# Altium PCB MCU047F_PCB.PcbDoc (part 3 of 3)
Units mil, origin at the board's own origin, x right, y up, seen from the top; angles counter-clockwise.
Board outline 7150 x 2800 mil, 2 copper layers (Top Layer, Bottom Layer), stack 62 mil thick; 59 components, 169 nets, 504 pads, 929 vias.
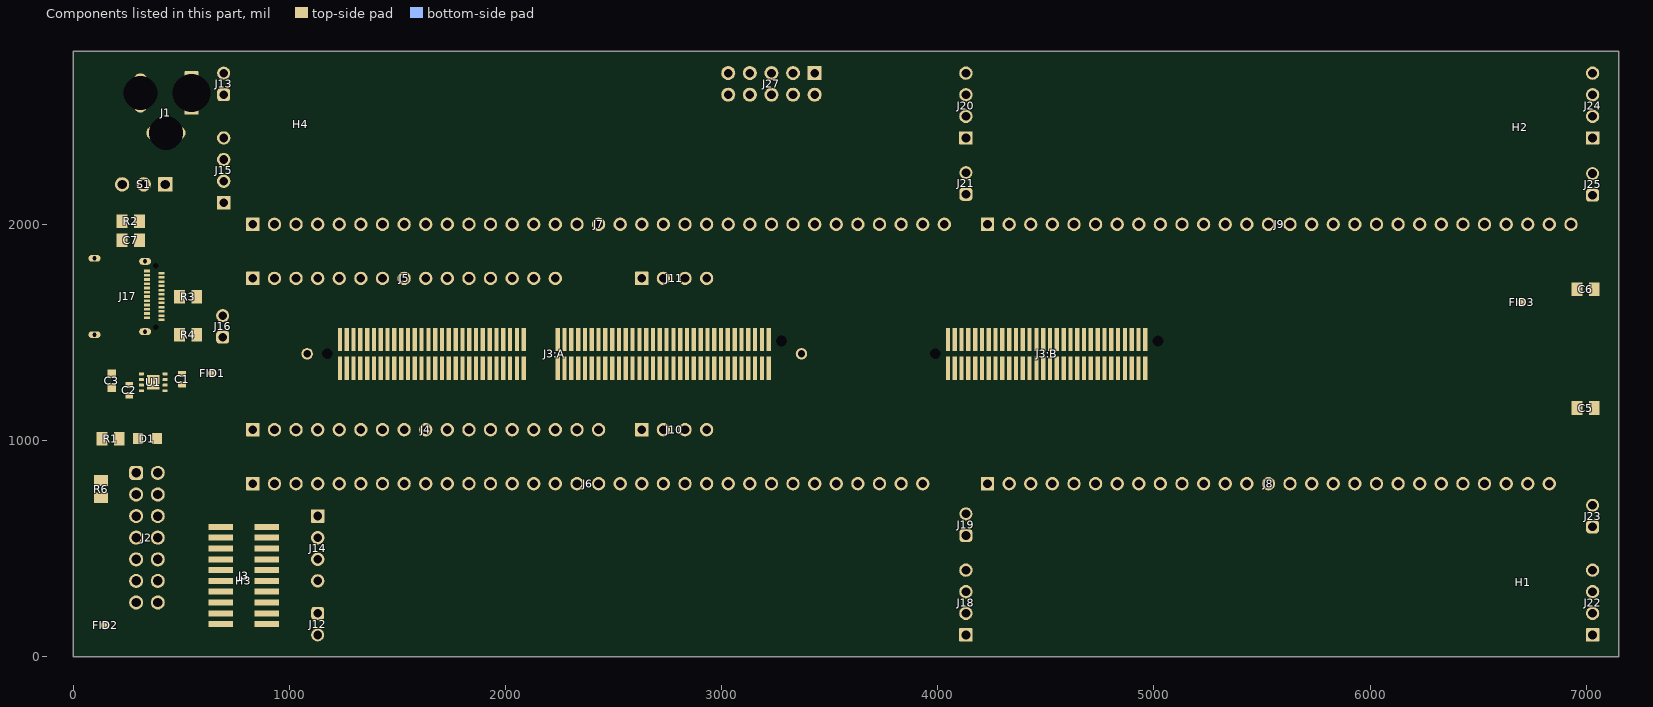
[diagram p3: the components of this part, seen from the top]

## Via types
v1: diameter 62, hole 42, Top Layer to Bottom Layer, 816 vias
v2: diameter 30, hole 13, Top Layer to Bottom Layer, 109 vias
v3: diameter 19.68, hole 7.87, Top Layer to Bottom Layer, 4 vias

## Nets (pads, with @x,y where several pads share a name; then routed paths per layer and width w, separated by ;. In a path a pad name is that pad's centre, name@x,y a point inside that pad or via, vN(x,y) a via of type N, cw(c..) or ccw(c..) an arc to the next point about the centre after c; other vN are vias at no path point) (continued)
copper on no net:
  other v1: 1230,100 1330,100 1430,100 1530,100 1630,100 1730,100 1830,100 1930,100 2030,100 2130,100 2230,100 2330,100 2430,100 2530,100 2630,100 2730,100 2830,100 2930,100 3030,100 3130,100 3230,100 3330,100 3430,100 3530,100 3630,100 3730,100 3830,100 3930,100 4030,100 4230,100 4330,100 4430,100 4530,100 4630,100 4730,100 4830,100 4930,100 5030,100 5130,100 5230,100 5330,100 5430,100 5530,100 5630,100 5730,100 5830,100 5930,100 6030,100 6130,100 6230,100 6330,100 6430,100 6530,100 6630,100 6730,100 6830,100 6930,100 1230,200 1330,200 1430,200 1530,200 1630,200 1730,200 1830,200 1930,200 2030,200 2130,200 2230,200 2330,200 2430,200 2530,200 2630,200 2730,200 2830,200 2930,200 3030,200 3130,200 3230,200 3330,200 3430,200 3530,200 3630,200 3730,200 3830,200 3930,200 4030,200 4230,200 4330,200 4430,200 4530,200 4630,200 4730,200 4830,200 4930,200 5030,200 5130,200 5230,200 5330,200 5430,200 5530,200 5630,200 5730,200 5830,200 5930,200 6030,200 6130,200 6230,200 6330,200 6430,200 6530,200 6630,200 6730,200 6830,200 6930,200 1230,300 1330,300 1430,300 1530,300 1630,300 1730,300 1830,300 1930,300 2030,300 2130,300 2230,300 2330,300 2430,300 2530,300 2630,300 2730,300 2830,300 2930,300 3030,300 3130,300 3230,300 3330,300 3430,300 3530,300 3630,300 3730,300 3830,300 3930,300 4030,300 4230,300 4330,300 4430,300 4530,300 4630,300 4730,300 4830,300 4930,300 5030,300 5130,300 5230,300 5330,300 5430,300 5530,300 5630,300 5730,300 5830,300 5930,300 6030,300 6130,300 6230,300 6330,300 6430,300 6530,300 6630,300 6730,300 6830,300 6930,300 1230,400 1330,400 1430,400 1530,400 1630,400 1730,400 1830,400 1930,400 2030,400 2130,400 2230,400 2330,400 2430,400 2530,400 2630,400 2730,400 2830,400 2930,400 3030,400 3130,400 3230,400 3330,400 3430,400 3530,400 3630,400 3730,400 3830,400 3930,400 4030,400 4230,400 4330,400 4430,400 4530,400 4630,400 4730,400 4830,400 4930,400 5030,400 5130,400 5230,400 5330,400 5430,400 5530,400 5630,400 5730,400 5830,400 5930,400 6030,400 6130,400 6230,400 6330,400 6430,400 6530,400 6630,400 6730,400 6830,400 6930,400 1230,500 1330,500 1430,500 1530,500 1630,500 1730,500 1830,500 1930,500 2030,500 2130,500 2230,500 2330,500 2430,500 2530,500 2630,500 2730,500 2830,500 2930,500 3030,500 3130,500 3230,500 3330,500 3430,500 3530,500 3630,500 3730,500 3830,500 3930,500 4030,500 4230,500 4330,500 4430,500 4530,500 4630,500 4730,500 4830,500 4930,500 5030,500 5130,500 5230,500 5330,500 5430,500 5530,500 5630,500 5730,500 5830,500 5930,500 6030,500 6130,500 6230,500 6330,500 6430,500 6530,500 6630,500 6730,500 6830,500 6930,500 1230,600 1330,600 1430,600 1530,600 1630,600 1730,600 1830,600 1930,600 2030,600 2130,600 2230,600 2330,600 2430,600 2530,600 2630,600 2730,600 2830,600 2930,600 3030,600 3130,600 3230,600 3330,600 3430,600 3530,600 3630,600 3730,600 3830,600 3930,600 4030,600 4230,600 4330,600 4430,600 4530,600 4630,600 4730,600 4830,600 4930,600 5030,600 5130,600 5230,600 5330,600 5430,600 5530,600 5630,600 5730,600 5830,600 5930,600 6030,600 6130,600 6230,600 6330,600 6430,600 6530,600 6630,600 6730,600 6830,600 6930,600 1230,700 1330,700 1430,700 1530,700 1630,700 1730,700 1830,700 1930,700 2030,700 2130,700 2230,700 2330,700 2430,700 2530,700 2630,700 2730,700 2830,700 2930,700 3030,700 3130,700 3230,700 3330,700 3430,700 3530,700 3630,700 3730,700 3830,700 3930,700 4030,700 4230,700 4330,700 4430,700 4530,700 4630,700 4730,700 4830,700 4930,700 5030,700 5130,700 5230,700 5330,700 5430,700 5530,700 5630,700 5730,700 5830,700 5930,700 6030,700 6130,700 6230,700 6330,700 6430,700 6530,700 6630,700 6730,700 6830,700 6930,700 830,2100 930,2100 1030,2100 1130,2100 1230,2100 1330,2100 1430,2100 1530,2100 1630,2100 1730,2100 1830,2100 1930,2100 2030,2100 2130,2100 2230,2100 2330,2100 2430,2100 2530,2100 2630,2100 2730,2100 2830,2100 2930,2100 3030,2100 3130,2100 3230,2100 3330,2100 3430,2100 3530,2100 3630,2100 3730,2100 3830,2100 3930,2100 4030,2100 4230,2100 4330,2100 4430,2100 4530,2100 4630,2100 4730,2100 4830,2100 4930,2100 5030,2100 5130,2100 5230,2100 5330,2100 5430,2100 5530,2100 5630,2100 5730,2100 5830,2100 5930,2100 6030,2100 6130,2100 6230,2100 6330,2100 6430,2100 6530,2100 6630,2100 6730,2100 6830,2100 6930,2100 830,2200 930,2200 1030,2200 1130,2200 1230,2200 1330,2200 1430,2200 1530,2200 1630,2200 1730,2200 1830,2200 1930,2200 2030,2200 2130,2200 2230,2200 2330,2200 2430,2200 2530,2200 2630,2200 2730,2200 2830,2200 2930,2200 3030,2200 3130,2200 3230,2200 3330,2200 3430,2200 3530,2200 3630,2200 3730,2200 3830,2200 3930,2200 4030,2200 4230,2200 4330,2200 4430,2200 4530,2200 4630,2200 4730,2200 4830,2200 4930,2200 5030,2200 5130,2200 5230,2200 5330,2200 5430,2200 5530,2200 5630,2200 5730,2200 5830,2200 5930,2200 6030,2200 6130,2200 6230,2200 6330,2200 6430,2200 6530,2200 6630,2200 6730,2200 6830,2200 6930,2200 830,2300 930,2300 1030,2300 1130,2300 1230,2300 1330,2300 1430,2300 1530,2300 1630,2300 1730,2300 1830,2300 1930,2300 2030,2300 2130,2300 2230,2300 2330,2300 2430,2300 2530,2300 2630,2300 2730,2300 2830,2300 2930,2300 3030,2300 3130,2300 3230,2300 3330,2300 3430,2300 3530,2300 3630,2300 3730,2300 3830,2300 3930,2300 4030,2300 4230,2300 4330,2300 4430,2300 4530,2300 4630,2300 4730,2300 4830,2300 4930,2300 5030,2300 5130,2300 5230,2300 5330,2300 5430,2300 5530,2300 5630,2300 5730,2300 5830,2300 5930,2300 6030,2300 6130,2300 6230,2300 6330,2300 6430,2300 6530,2300 6630,2300 6730,2300 6830,2300 6930,2300 830,2400 930,2400 1030,2400 1130,2400 1230,2400 1330,2400 1430,2400 1530,2400 1630,2400 1730,2400 1830,2400 1930,2400 2030,2400 2130,2400 2230,2400 2330,2400 2430,2400 2530,2400 2630,2400 2730,2400 2830,2400 2930,2400 3030,2400 3130,2400 3230,2400 3330,2400 3430,2400 3530,2400 3630,2400 3730,2400 3830,2400 3930,2400 4030,2400 4230,2400 4330,2400 4430,2400 4530,2400 4630,2400 4730,2400 4830,2400 4930,2400 5030,2400 5130,2400 5230,2400 5330,2400 5430,2400 5530,2400 5630,2400 5730,2400 5830,2400 5930,2400 6030,2400 6130,2400 6230,2400 6330,2400 6430,2400 6530,2400 6630,2400 6730,2400 6830,2400 6930,2400 830,2500 930,2500 1030,2500 1130,2500 1230,2500 1330,2500 1430,2500 1530,2500 1630,2500 1730,2500 1830,2500 1930,2500 2030,2500 2130,2500 2230,2500 2330,2500 2430,2500 2530,2500 2630,2500 2730,2500 2830,2500 2930,2500 3030,2500 3130,2500 3230,2500 3330,2500 3430,2500 3530,2500 3630,2500 3730,2500 3830,2500 3930,2500 4030,2500 4230,2500 4330,2500 4430,2500 4530,2500 4630,2500 4730,2500 4830,2500 4930,2500 5030,2500 5130,2500 5230,2500 5330,2500 5430,2500 5530,2500 5630,2500 5730,2500 5830,2500 5930,2500 6030,2500 6130,2500 6230,2500 6330,2500 6430,2500 6530,2500 6630,2500 6730,2500 6830,2500 6930,2500 830,2600 930,2600 1030,2600 1130,2600 1230,2600 1330,2600 1430,2600 1530,2600 1630,2600 1730,2600 1830,2600 1930,2600 2030,2600 2130,2600 2230,2600 2330,2600 2430,2600 2530,2600 2630,2600 2730,2600 2830,2600 2930,2600 3530,2600 3630,2600 3730,2600 3830,2600 3930,2600 4030,2600 4230,2600 4330,2600 4430,2600 4530,2600 4630,2600 4730,2600 4830,2600 4930,2600 5030,2600 5130,2600 5230,2600 5330,2600 5430,2600 5530,2600 5630,2600 5730,2600 5830,2600 5930,2600 6030,2600 6130,2600 6230,2600 6330,2600 6430,2600 6530,2600 6630,2600 6730,2600 6830,2600 6930,2600 830,2700 930,2700 1030,2700 1130,2700 1230,2700 1330,2700 1430,2700 1530,2700 1630,2700 1730,2700 1830,2700 1930,2700 2030,2700 2130,2700 2230,2700 2330,2700 2430,2700 2530,2700 2630,2700 2730,2700 2830,2700 2930,2700 3530,2700 3630,2700 3730,2700 3830,2700 3930,2700 4030,2700 4230,2700 4330,2700 4430,2700 4530,2700 4630,2700 4730,2700 4830,2700 4930,2700 5030,2700 5130,2700 5230,2700 5330,2700 5430,2700 5530,2700 5630,2700 5730,2700 5830,2700 5930,2700 6030,2700 6130,2700 6230,2700 6330,2700 6430,2700 6530,2700 6630,2700 6730,2700 6830,2700 6930,2700

## Polygon pours and split planes (outlines as drawn)
GND on Top Layer "TOP_LAYER_GND_P001" (solid, remove dead copper, pour order 1): 118.11,1397.68 140.43,1420 536.61,1420 559.76,1396.85 559.76,1120.78 521.65,1082.68 118.11,1082.68
GND on Bottom Layer "BOTTOM_LAYER_GND_P000" (solid, remove dead copper, pour order 0): 0,0 0,2800 7150,2800 7150,0

## Keep-outs
Keep-Out Layer:
  text ".Layer_Name" at 577,-858.49 h60

## Other copper
Top Layer:
  text ".Layer_Name" at 577,-858.49 h60
Bottom Layer:
  text ".Layer_Name" at 577,-858.49 h60

## Silkscreen, mask and mechanical layers (free items; w line width, h text height)
Top Overlay:
  text "GND" at 777.56,2578.74 h60 r90
  text "+5V in" at 127.3,2352.36 h72.83
  text "GND" at 4069.94,2289.3 h60
  text "GND" at 6978.35,2283.46 h60
  text "3V3" at 629.92,2204.72 h60 r90
  text "EXT-ON" at 131.43,2076.77 h40 r90
  text "USB-ON" at 575,2070 h40 r90
  text "3V3" at 6998.03,2047.24 h60
  text "3V3" at 4153.54,1947.39 h60 r90
  text "PIN" at 757.87,1926 h72.83 r90
  text "50" at 850.68,1870.08 h72.83 r90
  text "52" at 951.45,1870.08 h72.83 r90
  text "54" at 1053.15,1870.08 h72.83 r90
  text "56" at 1156.29,1870.08 h72.83 r90
  text "58" at 1255,1870.08 h72.83 r90
  text "60" at 1355.63,1870.08 h72.83 r90
  text "62" at 1453.47,1870.08 h72.83 r90
  text "64" at 1553.91,1870.08 h72.83 r90
  text "66" at 1653.54,1870.08 h72.83 r90
  text "68" at 1751.97,1870.08 h72.83 r90
  text "70" at 1855.49,1870.08 h72.83 r90
  text "72" at 1957.41,1870.08 h72.83 r90
  text "74" at 2056.02,1870.08 h72.83 r90
  text "76" at 2153.55,1870.08 h72.83 r90
  text "78" at 2253.94,1870.08 h72.83 r90
  text "80" at 2351.98,1870.08 h72.83 r90
  text "82" at 2455.02,1870.08 h72.83 r90
  text "86" at 2555.83,1870.08 h72.83 r90
  text "88" at 2654.51,1870.08 h72.83 r90
  text "90" at 2755.65,1870.08 h72.83 r90
  text "92" at 2857.54,1870.08 h72.83 r90
  text "94" at 2956.3,1870.08 h72.83 r90
  text "96" at 3051.18,1870.08 h72.83 r90
  text "102" at 3250.68,1840.55 h72.83 r90
  text "104" at 3353.69,1840.55 h72.83 r90
  text "106" at 3454.72,1840.55 h72.83 r90
  text "108" at 3553.15,1840.55 h72.83 r90
  text "110" at 3651.57,1840.55 h72.83 r90
  text "114" at 3754.46,1840.55 h72.83 r90
  text "126" at 4456.15,1840.81 h72.83 r90
  text "128" at 4556.95,1840.81 h72.83 r90
  text "130" at 4655.51,1840.81 h72.83 r90
  text "132" at 4753.94,1840.81 h72.83 r90
  text "152" at 5756.46,1840.55 h72.83 r90
  text "160" at 6053.8,1840.55 h72.83 r90
  text "162" at 6154.59,1840.55 h72.83 r90
  text "164" at 6253.36,1840.55 h72.83 r90
  text "166" at 6350.05,1840.55 h72.83 r90
  text "168" at 6456.69,1840.55 h72.83 r90
  text "170" at 6555.12,1840.55 h72.83 r90
  text "172" at 6653.54,1840.55 h72.83 r90
  text "174" at 6750.68,1840.55 h72.83 r90
  text "176" at 6860.24,1840.55 h72.83 r90
  text "178" at 6957.5,1840.55 h72.83 r90
  text "116" at 3854.7,1840 h72.83 r90
  text "118" at 3953.55,1840 h72.83 r90
  text "120" at 4055.12,1840 h72.83 r90
  text "134" at 4862.2,1840 h72.83 r90
  text "136" at 4960.63,1840 h72.83 r90
  text "138" at 5059.06,1840 h72.83 r90
  text "140" at 5157.48,1840 h72.83 r90
  text "142" at 5255.91,1840 h72.83 r90
  text "144" at 5354.33,1840 h72.83 r90
  text "154" at 5854.24,1840 h72.83 r90
  text "100" at 3151.42,1838.78 h72.83 r90
  text "122" at 4251.97,1838.78 h72.83 r90
  text "124" at 4360.24,1838.78 h72.83 r90
  text "146" at 5452.76,1838.78 h72.83 r90
  text "148" at 5552.9,1838.78 h72.83 r90
  text "150" at 5652.86,1838.78 h72.83 r90
  text "156" at 5951.66,1838.78 h72.83 r90
  text "ANA" at 756.3,1683.07 h72.83 r90
  text "GND" at 2733.77,1644.84 h60
  text "14" at 953.51,1624.95 h72.83 r90
  text "16" at 1053.15,1624.02 h72.83 r90
  text "18" at 1151.57,1624.02 h72.83 r90
  text "12" at 844.62,1621 h72.83 r90
  text "28" at 1555.12,1620 h72.83 r90
  text "30" at 1653.54,1620 h72.83 r90
  text "32" at 1751.97,1620 h72.83 r90
  text "34" at 1850.39,1620 h72.83 r90
  text "26" at 1453.47,1619.09 h72.83 r90
  text "24" at 1359.24,1617.13 h72.83 r90
  text "36" at 1958.66,1617 h72.83 r90
  text "40" at 2057.09,1617 h72.83 r90
  text "20" at 1250,1615.74 h72.83 r90
  text "42" at 2155.51,1615.15 h72.83 r90
  text "44" at 2233.75,1615.15 h72.83 r90
  text "5V" at 797.24,1499.41 h40 r90
  text "POWER ONLY" at 78.74,1396.85 h40
  text "TMDSHSECDOCK" at 5619.3,1387.8 h50
  text "controlCARD Docking Station [rev .PCB_Rev ]" at 5219.32,1289 h50
  text "'.PRJ_Number'.PCB_Rev" at 7070.46,1275.43 h72.83 r90
  text "GND" at 2719.93,1122.14 h60
  text "9" at 846.46,1112.2 h72.83 r90
  text "11" at 941.98,1112.2 h72.83 r90
  text "13" at 1053.15,1112.2 h72.83 r90
  text "15" at 1151.57,1112.2 h72.83 r90
  text "17" at 1250,1112.2 h72.83 r90
  text "21" at 1348.43,1112.14 h72.83 r90
  text "23" at 1446.85,1112.14 h72.83 r90
  text "25" at 1545.28,1112.14 h72.83 r90
  text "27" at 1653.54,1112.14 h72.83 r90
  text "29" at 1751.97,1112.14 h72.83 r90
  text "31" at 1850.39,1112.2 h72.83 r90
  text "33" at 1948.82,1112.2 h72.83 r90
  text "37" at 2047.24,1112.2 h72.83 r90
  text "39" at 2145.67,1112.2 h72.83 r90
  text "41" at 2253.94,1112.2 h72.83 r90
  text "43" at 2352.36,1112.2 h72.83 r90
  text "45" at 2500,1112.2 h72.83 r90
  text "ANA" at 752,980.58 h72.83 r90
  text "51" at 953.51,870 h72.83 r90
  text "53" at 1053.15,866.14 h72.83 r90
  text "49" at 857.5,862.78 h72.83 r90
  text "55" at 1151.57,862.78 h72.83 r90
  text "57" at 1250,862.78 h72.83 r90
  text "59" at 1348.43,862.78 h72.83 r90
  text "61" at 1453.47,862.78 h72.83 r90
  text "63" at 1555.12,862.78 h72.83 r90
  text "67" at 1653.54,862.78 h72.83 r90
  text "69" at 1761.81,862.78 h72.83 r90
  text "71" at 1850.39,862.78 h72.83 r90
  text "73" at 1950,862.78 h72.83 r90
  text "81" at 2352.36,862.78 h72.83 r90
  text "85" at 2452.84,862.78 h72.83 r90
  text "87" at 2549.21,862.78 h72.83 r90
  text "89" at 2650,862.78 h72.83 r90
  text "91" at 2750.63,862.78 h72.83 r90
  text "75" at 2051.9,860 h72.83 r90
  text "77" at 2148.6,860 h72.83 r90
  text "79" at 2253.94,860 h72.83 r90
  text "93" at 2854.33,860 h72.83 r90
  text "95" at 2952.76,860 h72.83 r90
  text "99" at 3051.18,860 h72.83 r90
  text "101" at 3146.31,860 h72.83 r90
  text "103" at 3249.38,860 h72.83 r90
  text "105" at 3346.46,860 h72.83 r90
  text "107" at 3444.88,860 h72.83 r90
  text "109" at 3543.31,860 h72.83 r90
  text "113" at 3651.57,860 h72.83 r90
  text "115" at 3748.15,860 h72.83 r90
  text "117" at 3848.43,860 h72.83 r90
  text "119" at 3946.85,860 h72.83 r90
  text "121" at 4251.97,860 h72.83 r90
  text "123" at 4350.39,860 h72.83 r90
  text "125" at 4448.82,860 h72.83 r90
  text "127" at 4548.73,860 h72.83 r90
  text "129" at 4645.13,860 h72.83 r90
  text "131" at 4744.09,860 h72.83 r90
  text "133" at 4852.36,860 h72.83 r90
  text "137" at 4950.79,860 h72.83 r90
  text "139" at 5049.21,860 h72.83 r90
  text "141" at 5147.64,860 h72.83 r90
  text "143" at 5246.06,860 h72.83 r90
  text "145" at 5344.49,860 h72.83 r90
  text "147" at 5452.76,860 h72.83 r90
  text "149" at 5546.36,860 h72.83 r90
  text "151" at 5649.23,860 h72.83 r90
  text "153" at 5749.92,860 h72.83 r90
  text "155" at 5849.51,860 h72.83 r90
  text "159" at 5948.39,860 h72.83 r90
  text "161" at 6049.08,860 h72.83 r90
  text "163" at 6151.57,860 h72.83 r90
  text "165" at 6250.45,860 h72.83 r90
  text "167" at 6351.14,860 h72.83 r90
  text "169" at 6446.85,860 h72.83 r90
  text "171" at 6545.28,860 h72.83 r90
  text "173" at 6643.7,860 h72.83 r90
  text "175" at 6751.97,860 h72.83 r90
  text "177" at 6850.39,860 h72.83 r90
  text "1" at 205.87,833.76 h50
  text "PIN" at 757.87,777.56 h72.83 r90
  text "3V3" at 6992.4,750 h60
  text "3V3" at 4145.06,728.35 h60 r90
  text "GND" at 6978.35,482.28 h60
  text "GND" at 4069.94,472.44 h60
  text "3V3" at 1053.15,391 h60 r90
  text "14" at 455.37,218.02 h50
  text "JTAG" at 252.89,144.88 h40
  text "GND" at 1053.15,88.58 h60 r90
  text ".Layer_Name" at 577,-858.49 h60
Bottom Overlay:
  text ".Layer_Name" at 577,-858.49 h60
Top Paste:
  text ".Layer_Name" at 577,-858.49 h60
Bottom Paste:
  text ".Layer_Name" at 577,-858.49 h60
Top Solder:
  text ".Layer_Name" at 577,-858.49 h60
  text ".Layer_Name" at 577,-858.49 h60
Bottom Solder:
  text ".Layer_Name" at 577,-858.49 h60
Drill Guide:
  text ".Layer_Name" at 577,-858.49 h60
M1 Board Outline:
  the board outline again, w10
  text ".Layer_Name" at 577,-858.49 h60
M2 Board Dimensions:
  rectangle: 0,-275 125,-150
  rectangle: 125,-400 500,-275
  lines w7: 0,-275 1000,-275 ; 125,-400 125,-150 ; 250,-400 250,-150 ; 500,-400 500,-150 ; 750,-400 750,-150 ; 0,-400 1000,-400 1000,-150 0,-150 0,-400
  text ".Layer_Name" at 577,-858.49 h60
M3 3D STEP Top:
  text ".Layer_Name" at 577,-858.49 h60
M4 3D STEP Bottom:
  text ".Layer_Name" at 577,-858.49 h60
M5 Assembly Top:
  lines w10: -292,-930.17 6308,-930.17 ; -292,-726.83 6310,-726.83 ; -292,-523.5 -292,-1133.5 3713,-1133.5 6310,-1133.5 6310,-523.5 -291.5,-523.5 -291.5,-1133.5 1284,-1133.5 ; 2173,-1133.5 2173,-523.5 ; 3440,-726.83 3440,-523.5 ; 4280,-726.83 4280,-523.5 ; 4902,-1140 4902,-937.17
  text "COMPONENTS MARKED 'DNP' SHOULD NOT BE POPULATED." at 1153.5,-318.5 h60
  text "ASSEMBLY VARIANT:" at 1153,-434 h60
  text ".VariantName" at 2189,-434 h60
  text "PCB VIEWED FROM TOP SIDE" at -228.5,-655.67 h60
  text "BOARD #:" at 2248,-655.67 h60
  text ".PRJ_Number" at 2793.5,-655.67 h60
  text "REV:" at 3638,-655.67 h60
  text ".PCB_Rev" at 3929.5,-655.67 h60
  text "SVN REV:" at 4476,-655.67 h60
  text ".VersionControl_RevNumber" at 4982,-655.67 h60
  text "TID #:" at 2248,-859 h60
  text ".TID" at 2793.5,-859 h60
  text "PLOT NAME =" at -228.5,-1064.34 h60
  text ".plot_File_Name" at 577,-1064.34 h60
  text "GENERATED    :" at 2250,-1064.34 h60
  text ".Print_Date" at 3119.5,-1064.34 h60
  text ".Print_Time" at 3848.5,-1064.34 h60
  text "TEXAS INSTRUMENTS" at 5113,-1064.34 h60
M6 Assembly Bottom:
  lines w10: -292.5,-727.33 6309.5,-727.33 ; -290.5,-930.67 6309.5,-930.67 ; 1115.5,-1140.5 1115.5,-937.67 ; 1737.5,-727.33 1737.5,-524 ; 2577.5,-727.33 2577.5,-524 ; 3844.5,-1134 3844.5,-524 ; 4733.5,-1134 6309,-1134 6309,-524 -292.5,-524 -292.5,-1134 2304.5,-1134 6309.5,-1134 6309.5,-524
  text "COMPONENTS MARKED 'DNP' SHOULD NOT BE POPULATED." at 6102,-318 h60
  text ".VariantName" at 5058,-434 h60
  text "ASSEMBLY VARIANT:" at 6097,-434 h60
  text ".VersionControl_RevNumber" at 1035.5,-656.17 h60
  text "SVN REV:" at 1541.5,-656.17 h60
  text ".PCB_Rev" at 2088,-656.17 h60
  text "REV:" at 2379.5,-656.17 h60
  text ".PRJ_Number" at 3224,-656.17 h60
  text "BOARD #:" at 3769.5,-656.17 h60
  text "PCB VIEWED FROM BOTTOM SIDE" at 6246,-656.17 h60
  text ".TID" at 3224,-859.5 h60
  text "TID #:" at 3769.5,-859.5 h60
  text "TEXAS INSTRUMENTS" at 904.5,-1064.84 h60
  text ".Print_Time" at 2169,-1064.84 h60
  text ".Print_Date" at 2898,-1064.84 h60
  text "GENERATED    :" at 3767.5,-1064.84 h60
  text ".plot_File_Name" at 5440.5,-1064.84 h60
  text "PLOT NAME =" at 6246,-1064.84 h60
M9 Title Sheet:
  drawing of 57 lines, arcs and shapes, not listed
  text "1" at 739.84,8036.5 h70
  text "2" at 3235.5,8036.5 h70
  text "3" at 5724.84,8036.5 h70
  text "4" at 8231.51,8036.5 h70
  text "5" at 10730.5,8036.5 h70
  text "6" at 13235.5,8036.5 h70
  text "A" at -416.5,6893.5 h70
  text "A" at 14383.5,6893.5 h70
  text "B" at -416.5,4513.5 h70
  text "B" at 14383.5,4513.5 h70
  text "C" at -416.5,2138.5 h70
  text "C" at 14383.5,2138.5 h70
  text "PROJECT TITLE:" at 11343.5,277.5 h45
  text ".PRJ_Title" at 11393.5,144.17 h70
  text "DESIGNED FOR:" at 11343.5,-23.5 h45
  text ".PRJ_Customer" at 11393.5,-163.5 h70
  text "D" at -416.5,-231.5 h70
  text "D" at 14383.5,-231.5 h70
  text "FILE NAME:" at 11343.5,-323.5 h45
  text ".PCB_File_Name_No_Path" at 11393.5,-443.5 h70
  text "Texas Instruments (TI) and/or its licensors do not warrant the accuracy or completeness of this specification" at 6374,-605.34 h45
  text "ENGINEER:" at 11343.5,-613.5 h45
  text "LAYOUT BY:" at 12848.5,-613.5 h45
  text "or any information contained therein. TI and/or its licensors do not warrant that this design will meet" at 6329.01,-718 h45
  text ".PRJ_Engineer" at 11393.5,-768.49 h70
  text ".PCB_Layout" at 12899,-768.49 h70
  text "the specifications, will be suitable for your application or fit for any particular purpose, or will operate in" at 6329.01,-830.67 h45
  text ".Layer_Name" at 577,-858.49 h60
  text "ALTIUM DESIGNER VERSION:" at 12848.5,-923.5 h45
  text "an implementation. TI and/or its licensors do not warrant that the design is production worthy. You should" at 6329.01,-943.33 h45
  text "completely validate and test your design implementation to confirm the system functionality for your application." at 6374,-1056 h45
  text ".print_Scale" at 11393.5,-1056.83 h70
  text ".Application_BuildNumber" at 12899,-1056.83 h70
  text "1" at 739.84,-1263.5 h70
  text "2" at 3235.5,-1263.5 h70
  text "3" at 5724.84,-1263.5 h70
  text "4" at 8231.51,-1263.5 h70
  text "5" at 10730.5,-1263.5 h70
  text "6" at 13235.5,-1263.5 h70
M10 Fab Notes:
  drawing of 189 lines, arcs and shapes, not listed
  text "DESIGN INFORMATION" at 12382.02,6356.17 h60
  text "MIN. TRACK WIDTH:" at 11737.46,6224.05 h60
  text "10" at 12833.7,6224.05 h60
  text "MIL" at 12988.46,6224.05 h60
  text "7" at 12854.33,6102.36 h60
  text "MIN. CLEARANCE:" at 11737.46,6099.92 h60
  text "MIL" at 12988.46,6099.92 h60
  text "MIN. VIA PAD SIZE:" at 11737.46,5975.8 h60
  text "24" at 12803.71,5975.8 h60
  text "MIL" at 12988.46,5975.8 h60
  text "0.05mm (2MIL)" at 12432.46,5845.9 h60
  text "MINIMUM ANNULAR RING" at 11408.23,5837.67 h60
  text "EXTERNAL" at 13140.46,5837.67 h60
  text "PER" at 11608.23,5727.55 h60
  text "IPC-D-275 CLASS 2 LEVEL C" at 11828.23,5727.54 h60
  text "MIL, HOLES" at 13316.46,5627.07 h60
  text "+/-" at 12924,5618.48 h60
  text "+/-" at 13778,5618.48 h60
  text "REGISTRATION TOLERANCES:" at 11408.23,5617.42 h60
  text "METAL" at 12608,5617.42 h60
  text "5" at 13184.2,5617.42 h60
  text "3" at 14017.2,5617.42 h60
  text "MIL" at 14133.46,5617.42 h60
  text "HOLE SIZE TOLERANCE (UNLESS OTHERWISE SPECIFIED):" at 11408.23,5519.1 h60
  text "+/-" at 13778,5516.23 h60
  text "3" at 14017.2,5515.17 h60
  text "MIL" at 14133.46,5515.17 h60
  text "MATERIAL:" at 11333.46,5377.52 h60
  text "FR-4 High Tg" at 12319.9,5249 h60
  text "X" at 12175.46,5241.01 h60
  text "FR-408" at 11754.46,5236.49 h60
  text "OTHER" at 13242.46,5236.49 h60
  text "62 MIL (1.6mm) +/-10%" at 12074.56,5093.46 h60
  text "X" at 11954.46,5091.01 h60
  text "THICKNESS:" at 11408.23,5085.24 h60
  text "OTHER" at 13359.46,5085.24 h60
  text "TOLERANCE:" at 11408.23,4946.92 h60
  text "X" at 12256.46,4946.92 h60
  text "ANSI IPC-6012 TYPE 3 CLASS 2" at 12434.48,4946.92 h60
  text "OTHER +/-" at 12434.46,4802.73 h60
  text "BOW & TWIST:" at 11408.23,4657.54 h60
  text "X" at 12256.46,4657.54 h60
  text "ANSI IPC-6012 TYPE 3 CLASS 2" at 12434.48,4657.54 h60
  text "OTHER +/-" at 12434.46,4510.85 h60
  text "DRILLING:" at 11333.46,4380.23 h60
  text "NC_DRILL FILES" at 13094.46,4275.04 h60
  text "REFERENCE:" at 11408.23,4271.1 h60
  text "X" at 12065.46,4271.01 h60
  text "AS SHOWN" at 12243.46,4271.1 h60
  text "X" at 12966.46,4271.1 h60
  text "OTHER" at 13392.46,4128.85 h60
  text "PTH COPPER THICKNESS:" at 11407.91,4125.32 h60
  text "X" at 12547.14,4125.32 h60
  text "20-30 um" at 12675.14,4125.32 h60
  text "BOARD FINISH:" at 11333.46,3977.73 h60
  text "SILKSCREEN:" at 11488.68,3867.6 h60
  text "X" at 12446.46,3867.6 h60
  text "TOP" at 12563.46,3867.6 h60
  text "BOTTOM" at 13074.46,3867.6 h60
  text "SILKSCREEN COLOR:" at 11488.68,3712.41 h60
  text "X" at 12445.46,3712.41 h60
  text "WHITE" at 12563.46,3712.41 h60
  text "OTHER" at 13074.46,3712.41 h60
  text "X" at 12576.46,3568.96 h60
  text "GREEN" at 12694.46,3568.96 h60
  text "OTHER" at 13312.46,3568.96 h60
  text "SOLDER RESIST COLOR:" at 11488.68,3562.1 h60
  text "X" at 12576.46,3414.71 h60
  text "MATTE" at 12694.46,3414.71 h60
  text "SEMI-GLOSS" at 13312,3414.07 h60
  text "IMMERSION GOLD (ENIG)" at 12394.46,3241.94 h60
  text "ENEPIG" at 13732,3234.72 h60
  text "SURFACE FINISH:" at 11333.46,3233.72 h60
  text "IMM. TIN/SILVER OR EQUIV" at 11663,3096.4 h60
  text "OTHER" at 13094.46,3092.47 h60
  text "ARRAY/PANEL:" at 11333.46,2937.09 h60
  text "CUT AND TRIM PER M1 BOARD OUTLINE" at 12394.46,2928.87 h60
  text "N.C. ROUTE" at 12394.46,2792.9 h60
  text "X" at 13082.46,2792.9 h60
  text "V. SCORE" at 13260.46,2792.9 h60
  text "CERTIFICATION:" at 11333.46,2663.77 h60
  text "MATERIALS AND WORKMANSHIP FOR ALL PCBS" at 12058.46,2663.77 h60
  text "TO MEET OR EXCEED THE REQUIREMENTS OF:" at 12058.46,2569.71 h60
  text "X" at 11695.97,2441.08 h60
  text "ANSI IPC-A-600F CLASS ->" at 11823.96,2441.08 h60
  text "X" at 13471.97,2441.08 h60
  text "2" at 13581.96,2441.08 h60
  text "1" at 13266.96,2439.58 h60
  text "3" at 13935.96,2439.58 h60
  text "X" at 12507.97,2293.39 h60
  text "RoHS" at 12635.96,2293.39 h60
  text "OTHER" at 13280.36,2293.39 h60
  text "PER ORDER" at 13677.42,2293.39 h60
  text "ALL BOARDS MUST MEET OR EXCEED UL94-V0 REQUIREMENTS." at 11361,2139.57 h60
  text "PCB MUST BEAR THE UL94V-0 UL REGISTERED MATERIAL ID NUMBER" at 11361,2023.5 h60
  text "ADDITIONAL REQUIREMENTS:" at 11333.46,1854.08 h60
  text "MICROSECTION:" at 11408.23,1746.95 h60
  text "YES" at 12313.96,1746.95 h60
  text "REQUIRED" at 13175.46,1602.62 h60
  text "BARE BOARD ELEC. TEST:" at 11408.23,1599.76 h60
  text "X" at 12598.43,1599.76 h60
  text "NONE" at 12713.96,1599.76 h60
  text "PER ORDER" at 13767.46,1599.76 h60
  text "XX MIL VIAS REQUIRE NON-CONDUCTIVE FILL AND PLANARIZE" at 11576.38,1394.82 h59
  text "XX MIL VIAS REQUIRE CONDUCTIVE FILL AND PLANARIZE" at 11584.38,1290.84 h60
  text "OUTER XX MIL TRACES REQUIRE 50 OHM SINGLE-ENDED IMPEDANCE" at 11583.39,1127.46 h58
  text "LAYER 2 & 3 (INNER LAYERS) XX MIL WIDE, XX MIL SPACE / TRACES REQUIRE 100 OHM DIFFERENTIAL IMPEDANCE" at 11575.39,891.74 h60
  text ".Layer_Name" at 577,-858.49 h60
M11 Gerber Information:
  lines w10: -292,-930.17 6308,-930.17 ; -292,-726.83 6310,-726.83 ; -292,-523.5 -292,-1133.5 3713,-1133.5 6310,-1133.5 6310,-523.5 -291.5,-523.5 -291.5,-1133.5 1284,-1133.5 ; 2173,-1133.5 2173,-523.5 ; 3440,-726.83 3440,-523.5 ; 4280,-726.83 4280,-523.5 ; 4902,-1140 4902,-937.17
  text "ALL ARTWORK VIEWED FROM TOP SIDE" at -228.5,-655.67 h60
  text "BOARD #:" at 2248,-655.67 h60
  text ".PRJ_Number" at 2793.5,-655.67 h60
  text "REV:" at 3638,-655.67 h60
  text ".PCB_Rev" at 3929.5,-655.67 h60
  text "SVN REV:" at 4476,-655.67 h60
  text ".VersionControl_RevNumber" at 4982,-655.67 h60
  text "LAYER NAME =" at -228.5,-858.49 h60
  text "TID #:" at 2248,-859 h60
  text ".TID" at 2793.5,-859 h60
  text "PLOT NAME =" at -228.5,-1064.34 h60
  text ".plot_File_Name" at 577,-1064.34 h60
  text "GENERATED    :" at 2250,-1064.34 h60
  text ".Print_Date" at 3119.5,-1064.34 h60
  text ".Print_Time" at 3848.5,-1064.34 h60
  text "TEXAS INSTRUMENTS" at 5113,-1064.34 h60
M12 Stackup:
  drawing of 191 lines, arcs and shapes, not listed
  text "Layer" at 9821.59,7334.94 h60
  text "Name" at 10231.51,7334.94 h60
  text "Material" at 11161.25,7334.94 h60
  text "Thickness" at 12021.02,7334.94 h60
  text "Constant" at 12670.85,7334.94 h60
  text "Board Layer Stack" at 13240.71,7334.94 h60
  text "Top Overlay" at 10231.51,7214.94 h60
  text "Top Solder" at 10231.51,7094.94 h60
  text "Solder Resist" at 11161.25,7094.94 h60
  text "0.40mil" at 12021.02,7094.94 h60
  text "3.5" at 12670.85,7094.94 h60
  text "1" at 9821.59,6974.94 h60
  text "Top Layer" at 10231.51,6974.94 h60
  text "1.40mil" at 12021.02,6974.94 h60
  text "Dielectric1" at 10231.51,6854.94 h60
  text "FR-4" at 11161.25,6854.94 h60
  text "59.20mil" at 12021.02,6854.94 h60
  text "4.8" at 12670.85,6854.94 h60
  text "2" at 9821.59,6734.94 h60
  text "Bottom Layer" at 10231.51,6734.94 h60
  text "1.40mil" at 12021.02,6734.94 h60
  text "Bottom Solder" at 10231.51,6614.94 h60
  text "Solder Resist" at 11161.25,6614.94 h60
  text "0.40mil" at 12021.02,6614.94 h60
  text "3.5" at 12670.85,6614.94 h60
  text "Bottom Overlay" at 10231.51,6494.94 h60
  text ".Layer_Name" at 577,-858.49 h60
M13 Component Bodies Top:
  text ".Layer_Name" at 577,-858.49 h60
M14 Component Bodies Bottom:
  text ".Layer_Name" at 577,-858.49 h60
M15 Courtyards Top:
  text ".Layer_Name" at 577,-858.49 h60
M16 Courtyards Bottom:
  text ".Layer_Name" at 577,-858.49 h60
Drill Drawing:
  circle w10: c7517.13,2394.83 r27.56
  circle w10: c7517.13,1526.64 r16.54
  circle w10: c7517.13,1526.64 r27.56
  lines w10: 7489.57,1375.05 7544.69,1375.05 7544.69,1430.18 7489.57,1430.18 7489.57,1375.05 ; 7489.57,1678.23 7544.69,1678.23 7517.13,1623.11 7489.57,1678.23 ; 7489.57,1760.92 7503.35,1760.92 7503.35,1747.13 7530.91,1747.13 7530.91,1760.92 7544.69,1760.92 7544.69,1788.48 7530.91,1788.48 7530.91,1802.26 7503.35,1802.26 7503.35,1788.48 7489.57,1788.48 7489.57,1760.92 ; 7489.57,1871.16 7489.57,1884.94 7503.35,1898.72 7489.57,1912.5 7489.57,1926.28 7503.35,1926.28 7517.13,1912.5 7530.91,1926.28 7544.69,1926.28 7544.69,1912.5 7530.91,1898.72 7544.69,1884.94 7544.69,1871.16 7530.91,1871.16 7517.13,1884.94 7503.35,1871.16 7489.57,1871.16 ; 7489.57,1995.19 7544.69,1995.19 7544.69,2050.31 7489.57,2050.31 7489.57,1995.19 ; 7489.57,2133 7503.35,2133 7517.13,2119.21 7530.91,2133 7544.69,2133 7530.91,2146.78 7544.69,2160.56 7530.91,2160.56 7517.13,2174.34 7503.35,2160.56 7489.57,2160.56 7503.35,2146.78 7489.57,2133 ; 7489.57,2243.24 7489.57,2257.02 7503.35,2270.8 7489.57,2284.58 7489.57,2298.36 7503.35,2298.36 7517.13,2284.58 7530.91,2298.36 7544.69,2298.36 7544.69,2284.58 7530.91,2270.8 7544.69,2257.02 7544.69,2243.24 7530.91,2243.24 7517.13,2257.02 7503.35,2243.24 7489.57,2243.24 ; 7489.57,2642.88 7517.13,2615.32 7544.69,2642.88 7517.13,2670.44 7489.57,2642.88 ; 7489.57,2794.47 7544.69,2794.47 7517.13,2739.35 7489.57,2794.47 ; 7500.59,1386.08 7533.67,1386.08 7533.67,1419.15 7500.59,1419.15 7500.59,1386.08 ; 7500.59,1882.19 7500.59,1890.45 7508.86,1898.72 7500.59,1906.99 7500.59,1915.26 7508.86,1915.26 7517.13,1906.99 7525.4,1915.26 7533.67,1915.26 7533.67,1906.99 7525.4,1898.72 7533.67,1890.45 7533.67,1882.19 7525.4,1882.19 7517.13,1890.45 7508.86,1882.19 7500.59,1882.19 ; 7500.59,2138.51 7508.86,2138.51 7517.13,2130.24 7525.4,2138.51 7533.67,2138.51 7525.4,2146.78 7533.67,2155.04 7525.4,2155.04 7517.13,2163.31 7508.86,2155.04 7500.59,2155.04 7508.86,2146.78 7500.59,2138.51 ; 7500.59,2783.45 7533.67,2783.45 7517.13,2750.37 7500.59,2783.45
  lines w12: 7439.59,1089.79 10666.39,1089.79 ; 7439.59,2826.17 10666.39,2826.17 ; 7776.95,965.77 7776.95,2950.19 ; 8108.65,965.77 8108.65,2950.19 ; 8744.5,965.77 8744.5,2950.19 ; 9003.3,965.77 9003.3,2950.19 ; 9378.05,965.77 9378.05,2950.19 ; 10100.59,965.77 10100.59,2950.19 ; 7439.59,965.77 10666.39,965.77 10666.39,2950.19 7439.59,2950.19 7439.59,965.77
  text "Symbol" at 7514.01,2863.38 h72
  text "Quantity" at 7814.16,2863.38 h72
  text "Finished Hole Size" at 8145.85,2863.38 h72
  text "Plated" at 8781.71,2863.38 h72
  text "Hole Type" at 9040.51,2863.38 h72
  text "Drill Layer Pair" at 9415.25,2863.38 h72
  text "Hole Tolerance" at 10137.8,2863.38 h72
  text "1" at 7814.16,2739.35 h60
  text "25.59mil (0.650mm)" at 8145.85,2739.35 h60
  text "NPTH" at 8781.71,2739.35 h60
  text "Round" at 9040.51,2739.35 h60
  text "Top Layer - Bottom Layer" at 9415.25,2739.35 h60
  text "4" at 7814.16,2615.32 h60
  text "50.00mil (1.270mm)" at 8145.85,2615.32 h60
  text "NPTH" at 8781.71,2615.32 h60
  text "Round" at 9040.51,2615.32 h60
  text "Top Layer - Bottom Layer" at 9415.25,2615.32 h60
  text "4" at 7814.16,2491.29 h60
  text "7.87mil (0.200mm)" at 8145.85,2491.29 h60
  text "PTH" at 8781.71,2491.29 h60
  text "Round" at 9040.51,2491.29 h60
  text "Top Layer - Bottom Layer" at 9415.25,2491.29 h60
  text "B" at 7488.76,2481.3 h55.12
  text "109" at 7814.16,2367.27 h60
  text "13.00mil (0.330mm)" at 8145.85,2367.27 h60
  text "PTH" at 8781.71,2367.27 h60
  text "Round" at 9040.51,2367.27 h60
  text "Top Layer - Bottom Layer" at 9415.25,2367.27 h60
  text "2" at 7814.16,2243.24 h60
  text "33.07mil (0.840mm)" at 8145.85,2243.24 h60
  text "PTH" at 8781.71,2243.24 h60
  text "Round" at 9040.51,2243.24 h60
  text "Top Layer - Bottom Layer" at 9415.25,2243.24 h60
  text "10" at 7814.16,2119.21 h60
  text "40.00mil (1.016mm)" at 8145.85,2119.21 h60
  text "PTH" at 8781.71,2119.21 h60
  text "Round" at 9040.51,2119.21 h60
  text "Top Layer - Bottom Layer" at 9415.25,2119.21 h60
  text "198" at 7814.16,1995.19 h60
  text "40.16mil (1.020mm)" at 8145.85,1995.19 h60
  text "PTH" at 8781.71,1995.19 h60
  text "Round" at 9040.51,1995.19 h60
  text "Top Layer - Bottom Layer" at 9415.25,1995.19 h60
  text "816" at 7814.16,1871.16 h60
  text "42.00mil (1.067mm)" at 8145.85,1871.16 h60
  text "PTH" at 8781.71,1871.16 h60
  text "Round" at 9040.51,1871.16 h60
  text "Top Layer - Bottom Layer" at 9415.25,1871.16 h60
  text "3" at 7814.16,1747.13 h60
  text "42.91mil (1.090mm)" at 8145.85,1747.13 h60
  text "PTH" at 8781.71,1747.13 h60
  text "Round" at 9040.51,1747.13 h60
  text "Top Layer - Bottom Layer" at 9415.25,1747.13 h60
  text "14" at 7814.16,1623.11 h60
  text "43.31mil (1.100mm)" at 8145.85,1623.11 h60
  text "PTH" at 8781.71,1623.11 h60
  text "Round" at 9040.51,1623.11 h60
  text "Top Layer - Bottom Layer" at 9415.25,1623.11 h60
  text "+/-1.97mil" at 10137.8,1623.11 h60
  text "1" at 7814.16,1499.08 h60
  text "25.59mil (0.650mm)" at 8145.85,1499.08 h60
  text "NPTH" at 8781.71,1499.08 h60
  text "Slot" at 9040.51,1499.08 h60
  text "Top Layer - Bottom Layer" at 9415.25,1499.08 h60
  text "4" at 7814.16,1375.05 h60
  text "19.69mil (0.500mm)" at 8145.85,1375.05 h60
  text "PTH" at 8781.71,1375.05 h60
  text "Slot" at 9040.51,1375.05 h60
  text "Top Layer - Bottom Layer" at 9415.25,1375.05 h60
  text "2" at 7814.16,1251.03 h60
  text "157.48mil (4.000mm)" at 8145.85,1251.03 h60
  text "PTH" at 8781.71,1251.03 h60
  text "Slot" at 9040.51,1251.03 h60
  text "Top Layer - Bottom Layer" at 9415.25,1251.03 h60
  text "C" at 7488.76,1241.04 h55.12
  text "1" at 7814.16,1127 h60
  text "177.17mil (4.500mm)" at 8145.85,1127 h60
  text "PTH" at 8781.71,1127 h60
  text "Slot" at 9040.51,1127 h60
  text "Top Layer - Bottom Layer" at 9415.25,1127 h60
  text "D" at 7488.76,1117.01 h55.12
  text "1169 Total" at 7814.16,1002.97 h60
  text "Slot definitions :" at 7514.01,916.16 h60
  text "Routed Path Length" at 7963.44,916.16 h60
  text "= Calculated from tool start centre position to tool end centre position." at 8501.8,916.16 h60
  text "Hole Length" at 7963.44,866.55 h60
  text "= Routed Path Length + Tool Size = Slot length as defined in the PCB layout" at 8302.5,866.55 h60
  text ".Layer_Name" at 577,-858.49 h60
M17 Embedded Cavity:
  text ".Layer_Name" at 577,-858.49 h60
M18 Embedded Assembly:
  text ".Layer_Name" at 577,-858.49 h60
M19 Embedded Keepout:
  text ".Layer_Name" at 577,-858.49 h60

## Dimensions
0,-400 to 1000,-400 on M2 Board Dimensions
0,0 to 0,2800 on M2 Board Dimensions
0,0 to 7150,0 on M2 Board Dimensions

## Text inside footprints (layer, text, board x,y; h text height)
Logo3: Top Overlay "For evaluation only; not FCC approved for resale." at 5359.17,1760 h60